# KiCad board Type 1 Termination Board v3.kicad_pcb (continued)
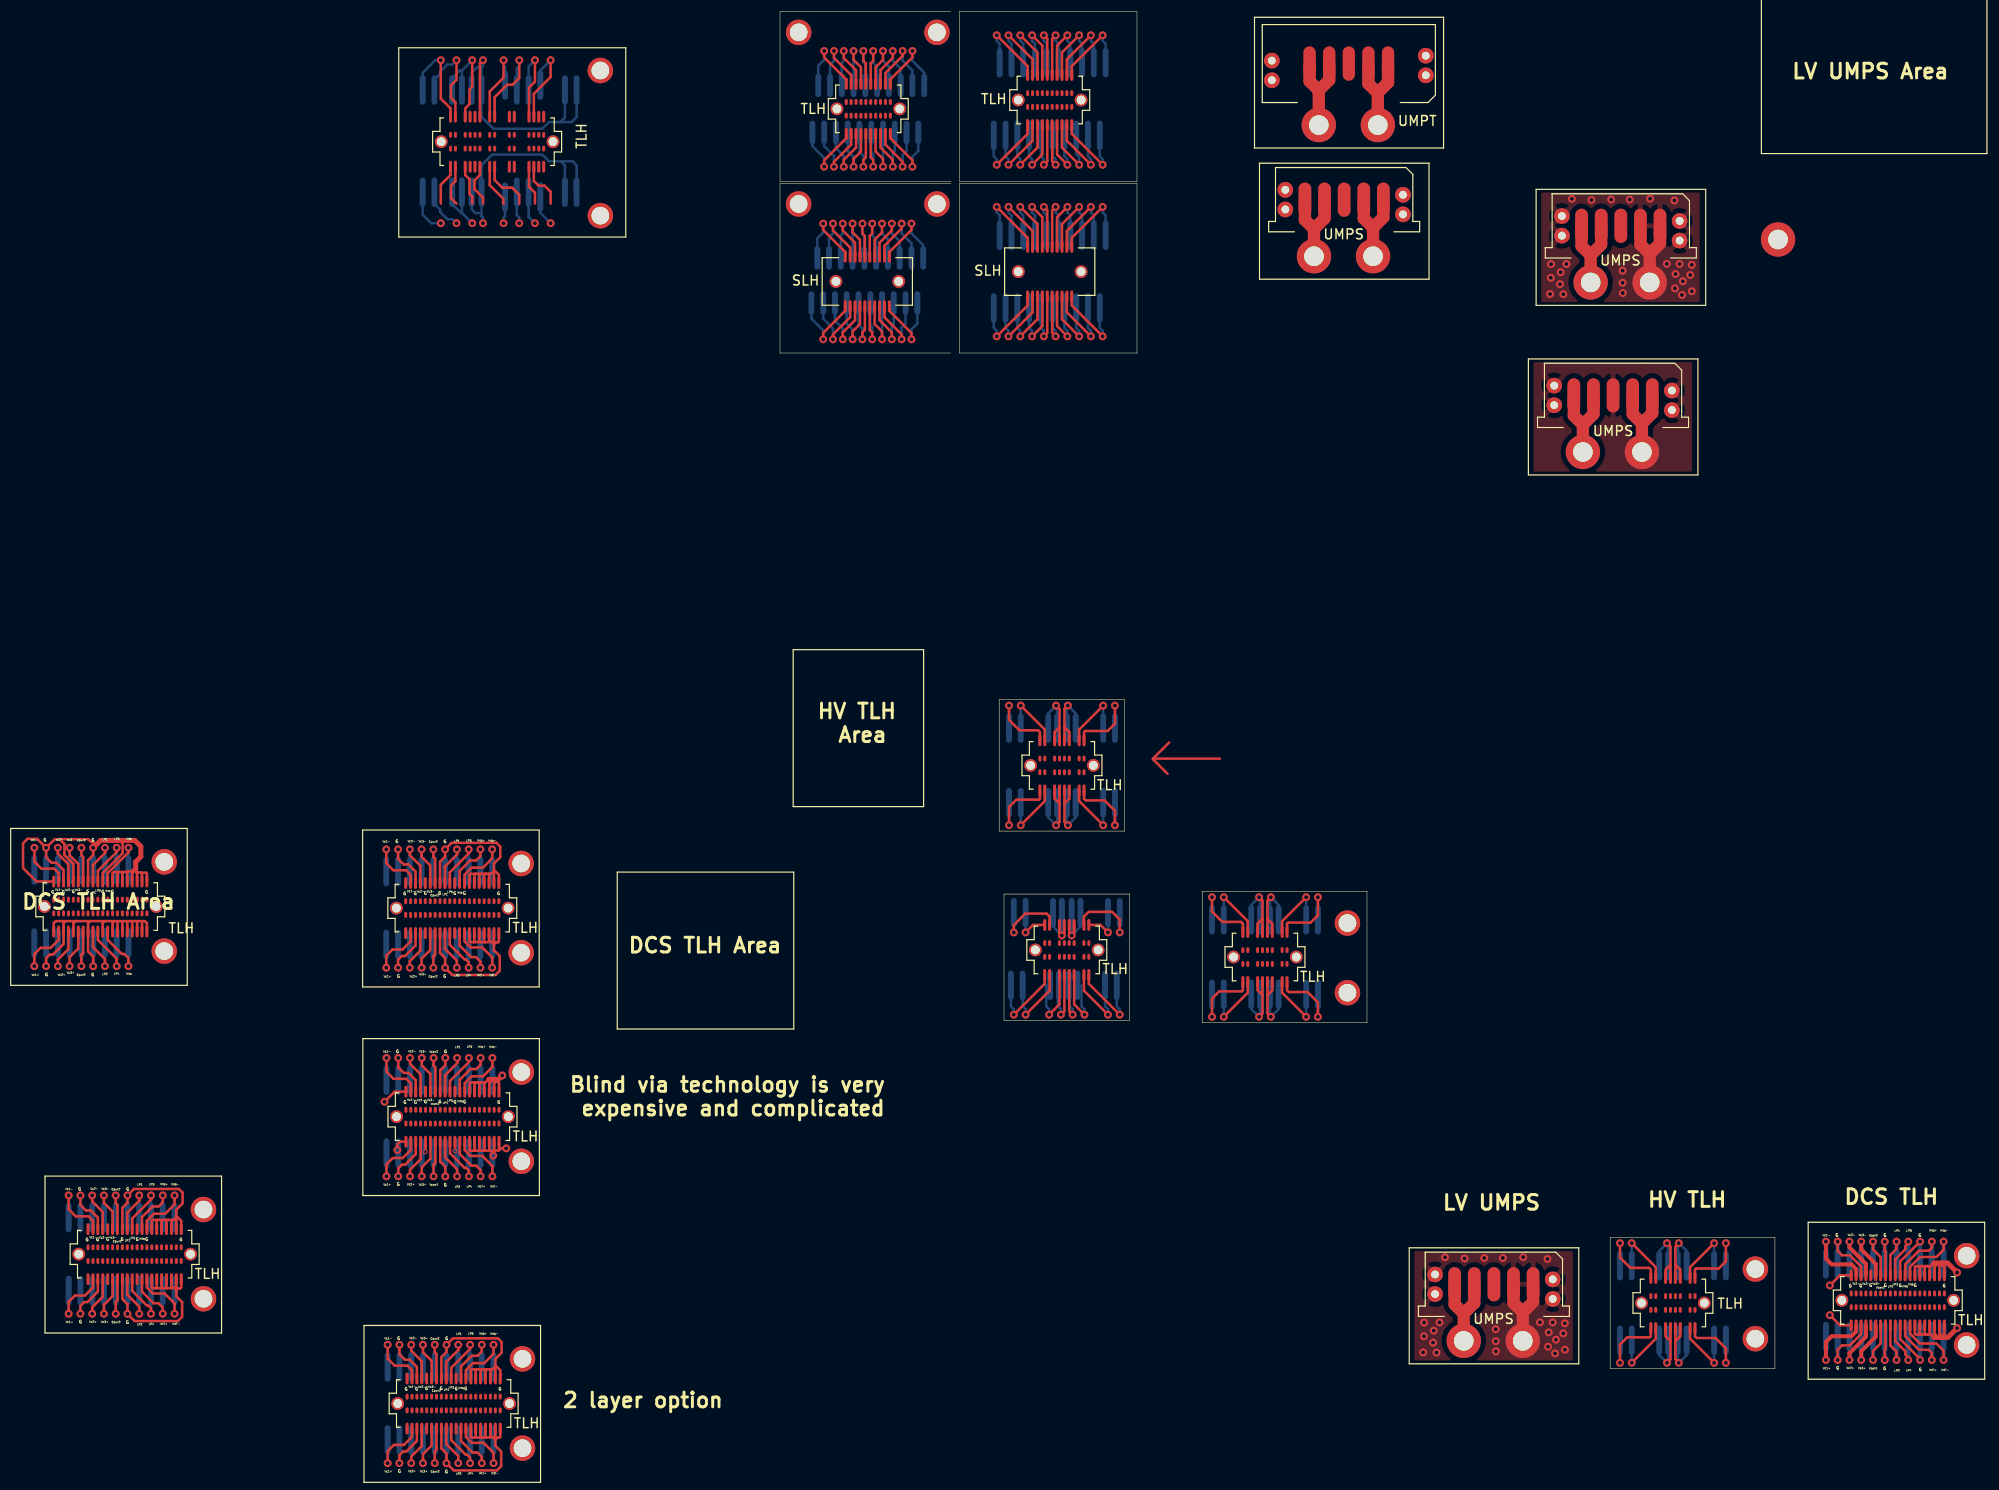
[diagram p0: board, top side]
## Routing (per net, layer and track width the routed paths; a pad name or vN(x,y) marks a point on that pad's centre or on a via; arc(x,y) is an arc through that point) (continued)
(no net): length 2080.3
  Top w0.25: v1(77.04,124.87) 77.04,124.17 78.29,122.92 REF**#5.3 ; v1(84.04,124.87) 84.04,124.22 81.79,121.97 81.79,121.52 ; v1(76.04,124.87) 76.04,124.17 77.79,122.42 77.79,121.52 ; v1(77.04,113.07) 77.04,113.77 78.29,115.02 REF**#5.13 ; v1(76.04,113.07) 76.04,113.57 77.79,115.32 REF**#5.12 ; v1(82.04,113.07) 82.04,113.77 80.79,115.02 REF**#5.18 ; REF**#5.14 78.79,114.62 78.04,113.87 v1(78.04,113.07) ; REF**#5.6 79.79,123.62 80.04,123.87 v1(80.04,124.87) ; REF**#5.8 80.79,122.92 82.04,124.17 v1(82.04,124.87) ; v1(102.34,126.57) 99.89,124.12 99.89,122.52 ; REF**#3.9 77.89,140.02 76.14,141.77 v1(76.14,142.47) ; REF**#5.9 81.29,122.62 83.04,124.37 v1(83.04,124.87) ; v1(81.04,124.87) 81.04,123.97 80.29,123.22 REF**#5.7 ; v1(79.04,124.87) 79.04,123.87 79.29,123.62 REF**#5.5 ; v1(75.04,113.07) 75.04,113.72 77.29,115.97 77.29,116.42 ; 98.89,122.52 98.89,125.52 v1(99.94,126.57) ; v1(103.54,126.57) 100.39,123.42 100.39,122.52 ; REF**#5.16 79.79,114.02 80.04,113.77 v1(80.04,113.07) ; v1(101.14,113.37) 99.39,115.12 99.39,117.42 ; 97.89,117.42 97.89,113.72 v1(97.54,113.37) ; v1(79.04,113.07) 79.04,113.77 79.29,114.02 REF**#5.15 ; v1(83.04,113.07) 83.04,113.57 81.29,115.32 REF**#5.19 ; 98.39,122.52 98.39,126.22 v1(98.74,126.57) ; 97.39,122.52 97.39,125.52 v1(96.34,126.57) ; v1(93.94,113.37) 96.39,115.82 96.39,117.42 ; 77.89,134.04 77.89,132.92 76.14,131.17 v1(76.14,130.67) ; v1(82.14,130.67) 82.14,131.37 80.89,132.62 80.89,134.04 ; REF**#6.19 96.39,133.32 v1(93.94,130.87) ; REF**#6.14 98.89,131.92 v1(99.94,130.87) ; v1(80.14,130.67) 80.14,131.37 79.89,131.62 79.89,134.04 ; 79.39,134.04 79.39,131.62 79.14,131.37 v1(79.14,130.67) ; REF**#6.16 97.89,131.22 v1(97.54,130.87) ; v1(93.94,144.07) 96.39,141.62 REF**#6.9 ; 99.39,122.52 99.39,124.82 v1(101.14,126.57) ; v1(79.14,142.47) 79.14,141.47 79.39,141.22 79.39,139.09 ; v1(81.14,130.67) 81.14,131.47 80.39,132.22 80.39,134.04 ; v1(78.14,142.47) 78.14,141.57 78.89,140.82 78.89,139.09 ; v1(83.14,130.67) 83.14,131.17 81.39,132.92 81.39,134.04 ; v1(77.14,142.47) 77.14,141.77 78.39,140.52 78.39,139.09 ; v1(92.74,113.37) 95.89,116.52 95.89,117.42 ; v1(78.14,130.67) 78.14,131.47 78.89,132.22 78.89,134.04 ; v1(101.14,144.07) 99.39,142.32 REF**#6.3 ; REF**#6.17 97.39,131.92 v1(96.34,130.87) ; REF**#6.6 97.89,143.72 v1(97.54,144.07) ; v1(99.94,144.07) 98.89,143.02 REF**#6.4 ; v1(92.74,144.07) 95.89,140.92 REF**#6.10 ; v1(95.14,130.87) 96.89,132.62 REF**#6.18 ; 80.39,139.09 80.39,140.82 81.14,141.57 v1(81.14,142.47) ; v1(98.74,130.87) 98.39,131.22 REF**#6.15 ; v1(102.34,144.07) 99.89,141.62 REF**#6.2 ; REF**#6.20 95.89,134.02 v1(92.74,130.87) ; REF**#6.7 97.39,143.02 v1(96.34,144.07) ; REF**#6.12 99.89,133.32 v1(102.34,130.87) ; 77.29,121.52 77.29,121.97 75.04,124.22 v1(75.04,124.87) ; v1(80.14,142.47) 80.14,141.47 79.89,141.22 79.89,139.09 ; v1(84.04,113.07) 84.04,113.72 81.79,115.97 81.79,116.42 ; v1(81.04,113.07) 81.04,113.87 80.29,114.62 REF**#5.17 ; v1(78.04,124.87) 78.04,123.97 78.79,123.22 REF**#5.4 ; REF**#6.1 100.39,140.92 v1(103.54,144.07) ; v1(95.14,144.07) 96.89,142.32 REF**#6.8 ; REF**#6.11 100.39,134.02 v1(103.54,130.87) ; v1(99.94,113.37) 98.89,114.42 98.89,117.42 ; v1(77.14,130.67) 77.14,131.37 78.39,132.62 78.39,134.04 ; 99.89,117.42 99.89,115.82 v1(102.34,113.37) ; v1(103.54,113.37) 100.39,116.52 100.39,117.42 ; 80.89,139.09 80.89,140.52 82.14,141.77 v1(82.14,142.47) ; v1(95.14,113.37) 96.89,115.12 96.89,117.42 ; v1(97.54,126.57) 97.89,126.22 97.89,122.52 ; REF**#6.13 99.39,132.62 v1(101.14,130.87) ; v1(98.74,144.07) 98.39,143.72 REF**#6.5 ; v1(95.14,126.57) 96.89,124.82 96.89,122.52 ; v1(98.74,113.37) 98.39,113.72 98.39,117.42 ; v1(96.34,113.37) 97.39,114.42 97.39,117.42 ; 95.89,122.52 95.89,123.42 v1(92.74,126.57) ; v1(93.94,126.57) 96.39,124.12 96.39,122.52 ; 81.39,139.09 81.39,140.22 83.14,141.97 v1(83.14,142.47) ; v1(84.14,130.67) 84.14,131.32 81.89,133.57 REF**#3.11 ; v1(75.14,142.47) 75.14,141.82 77.39,139.57 REF**#3.10 ; REF**#3.20 77.39,133.57 75.14,131.32 v1(75.14,130.67) ; REF**#3.1 81.89,139.57 84.14,141.82 v1(84.14,142.47) ; TLH#2.11 102.13,47.35 v1(105.28,44.2) ; v1(101.68,44.2) 100.63,45.25 TLH#2.14 ; TLH#2.12 101.63,46.65 v1(104.08,44.2) ; v1(99.28,44.2) 99.63,44.55 TLH#2.16 ; v1(94.48,44.2) 97.63,47.35 TLH#2.20 ; TLH#2.15 100.13,44.55 v1(100.48,44.2) ; v1(98.08,44.2) 99.13,45.25 TLH#2.17 ; v1(95.68,44.2) 98.13,46.65 TLH#2.19 ; TLH#3.34 45.04,128.63 45.65,128.02 45.65,126.91 ; TLH#3.3 37.54,137.24 37.09,137.69 37.09,138.97 37.65,139.53 v1(37.65,141.53) ; 47.25,126.91 47.25,128.11 46.62,128.74 46.01,128.74 45.54,129.21 TLH#3.36 ; TLH#3.2 37.04,129.82 36.05,128.83 36.05,126.91 ; 39.25,126.91 39.25,127.62 38.98,127.89 38.98,129.38 38.54,129.82 TLH#3.8 ; TLH#3.1 37.04,136.62 36.05,137.61 v1(36.05,141.53) ; TLH#3.20 41.54,129.31 42.32,128.53 43.33,128.53 44.05,127.81 44.05,126.91 ; 42.45,126.91 42.41,126.95 42.41,127.42 41.04,128.79 TLH#3.18 ; 37.65,126.91 37.09,127.47 37.09,128.75 37.54,129.2 TLH#3.4 ; TLH#3.14 40.04,129.82 39.49,129.27 39.49,128.38 40.35,127.52 40.35,126.91 ; TLH#3.7 38.54,136.62 38.98,137.06 38.98,138.55 39.25,138.82 v1(39.25,141.53) ; v1(45.65,141.53) 45.65,139.34 45.04,138.73 TLH#3.33 ; v1(40.35,141.53) 40.04,141.22 TLH#3.13 ; v1(47.25,141.53) 47.25,139.82 45.54,138.11 TLH#3.35 ; TLH#3.17 41.04,138.34 42.45,139.75 v1(42.45,141.53) ; TLH#3.19 41.54,137.76 42.81,139.03 43.36,139.03 44.05,139.72 v1(44.05,141.53) ; 99.64,65.78 99.69,65.78 100.14,66.23 100.14,67.08 ; 99.64,65.78 99.64,67.08 ; 99.64,65.78 99.64,63.88 99.99,63.53 ; 98.79,63.53 99.14,63.88 99.14,65.68 ; 93.99,63.53 93.99,65.38 94.73,66.12 97.03,66.12 97.14,66.23 97.14,67.08 ; 101.64,67.08 101.64,66.23 101.82,66.05 103.73,66.05 104.79,64.99 104.79,63.53 ; 103.59,63.53 101.14,65.98 101.14,67.08 ; 95.19,63.53 97.64,65.98 97.64,67.08 ; 99.14,67.08 99.14,65.68 ; 99.14,65.68 99.14,65.73 98.64,66.23 98.64,67.08 ; v1(-4.2,61.22) -4.2,60.27 -4.21,60.26 -3.64,59.69 -3.15,59.69 -2.42,58.96 TLH#5.23 ; v1(-4.2,61.22) -3.32,62.1 -2.84,62.1 ; v1(-4.2,61.22) -5.11,62.13 -6.1,62.13 -6.55,61.68 -6.55,59.15 -5.18,57.78 TLH#5.21 ; v1(-5.4,61.22) -5.4,59.83 -5.41,59.82 -4.68,59.09 -3.38,59.09 -2.92,58.63 TLH#5.22 ; TLH#5.7 -0.42,50.51 -0.6,50.33 v1(-0.6,49.15) ; v1(1.8,49.15) 1.8,49.87 0.58,51.09 TLH#5.9 ; -2.25,53.74 -1.08,53.74 ; -2.25,53.74 -3.21,53.74 -3.42,53.53 TLH#5.1 ; -2.25,53.74 -2.25,53.7 -2.42,53.53 TLH#5.3 -2.42,51.41 -3.49,50.34 -3.82,50.34 -4.2,49.96 v1(-4.2,49.15) ; -1.08,53.74 0.27,53.74 ; -1.08,53.74 -1.21,53.74 -1.42,53.53 TLH#5.5 ; 0.27,53.74 0.27,53.72 0.08,53.53 TLH#5.8 0.08,50.65 0.6,50.13 v1(0.6,49.14) ; 0.27,53.74 1.78,53.74 ; 3.08,52.68 3.08,53.68 ; 6.08,52.68 6.08,53.53 5.87,53.74 4.14,53.74 ; 4.14,53.74 2.77,53.74 ; 4.14,53.74 4.08,53.68 4.08,52.68 ; 2.77,53.74 2.58,53.55 2.58,52.68 ; 2.77,53.74 1.78,53.74 ; 5.08,52.68 5.08,53.68 ; 1.78,53.74 1.78,53.73 1.58,53.53 TLH#5.11 ; 5.58,52.68 5.58,53.68 ; 4.58,52.68 4.58,53.68 ; 3.58,52.68 3.58,53.68 ; TLH#5.2 -2.92,51.83 -3.74,51.01 -4.76,51.01 -5.4,50.37 v1(-5.4,49.15) ; v1(-0.6,61.22) -0.6,60.47 -0.61,60.46 -0.42,60.27 TLH#5.27 ; v1(4.2,49.15) 4.2,49.96 3.77,50.39 3.52,50.39 2.08,51.83 TLH#5.12 ; -3,60.62 v1(-3,61.22) ; -3,60.62 -2.98,60.64 ; -3,60.62 -1.92,59.54 TLH#5.24 ; TLH#5.28 0.08,59.96 0.6,60.48 v1(0.6,61.22) 0.6,61.79 0.57,61.82 0.38,61.82 0.1,62.1 -2.84,62.1 ; TLH#5.10 1.08,51.83 3.03,49.88 3,49.85 v1(3,49.15) ; TLH#5.32 2.08,58.63 4.24,60.79 4.24,61.18 v1(4.2,61.22) ; 3.04,60.83 1.08,58.87 TLH#5.30 ; TLH#5.29 0.58,59.46 1.82,60.7 1.82,61.2 v1(1.8,61.22) ; TLH#5.26 -0.92,59.58 -1.8,60.46 v1(-1.8,61.22) ; v1(-3,49.15) -3,49.81 -1.92,50.89 TLH#5.4 ; v1(-1.8,49.15) -1.8,50.07 -0.92,50.95 TLH#5.6 ; TLH#6.29 4.08,24.01 5.32,25.25 5.32,25.75 v1(5.3,25.77) ; v1(2.9,13.7) 2.9,14.88 3.08,15.06 TLH#6.7 ; TLH#6.27 3.08,24.82 2.89,25.01 2.9,25.02 v1(2.9,25.77) ; 0.5,25.17 0.52,25.19 ; 0.5,25.17 v1(0.5,25.77) ; 0.5,25.17 1.58,24.09 TLH#6.24 ; 6.54,25.38 4.58,23.42 TLH#6.30 ; v1(1.7,25.77) 1.7,25.01 2.58,24.13 TLH#6.26 ; v1(0.5,13.7) 0.5,14.36 1.58,15.44 TLH#6.4 ; v1(1.7,13.7) 1.7,14.62 2.58,15.5 TLH#6.6 ; v1(-1.9,13.7) -1.9,14.92 -1.26,15.56 -0.24,15.56 0.58,16.38 TLH#6.2 ; v1(5.3,13.7) 5.3,14.42 4.08,15.64 TLH#6.9 ; TLH#6.12 5.58,15.96 6.76,14.78 7.25,14.78 7.7,14.33 v1(7.7,13.7) ; TLH#6.13 6.08,16.38 6.69,15.77 7.88,15.77 8.9,14.75 v1(8.9,13.7) ; v1(7.7,25.77) 7.7,25.07 7.27,24.64 6.66,24.64 5.58,23.56 TLH#6.32 ; v1(6.5,13.7) 6.5,14.27 6.21,14.56 6.06,14.56 4.58,16.04 TLH#6.10 ; v1(-1.9,25.77) -1.9,24.36 -1.18,23.64 0.12,23.64 0.58,23.18 TLH#6.22 ; TLH#6.33 6.08,23.18 6.8,23.9 7.95,23.9 8.9,24.85 v1(8.9,25.77) ; 161.09,8.71 161.44,9.06 161.44,10.86 ; 161.94,18.75 161.94,18.7 162.44,18.2 TLH#7.4 ; 161.94,18.75 TLH#7.5 ; 161.94,18.75 161.94,20.55 v1(162.29,20.9) ; v1(156.29,20.9) 156.29,19.44 157.35,18.38 159.26,18.38 159.44,18.2 TLH#7.10 ; 161.44,18.65 161.39,18.65 160.94,18.2 TLH#7.7 ; 161.44,18.65 TLH#7.6 ; 161.44,18.65 161.44,20.55 v1(161.09,20.9) ; TLH#7.1 163.94,18.2 164.05,18.31 166.35,18.31 167.09,19.05 v1(167.09,20.9) ; v1(165.89,20.9) 163.44,18.45 TLH#7.2 ; v1(157.49,20.9) 159.94,18.45 TLH#7.9 ; 163.94,12.26 163.94,11.41 164.12,11.23 166.03,11.23 167.09,10.17 167.09,8.71 ; 161.44,10.86 161.44,10.91 160.94,11.41 160.94,12.26 ; 161.44,10.86 161.44,12.26 ; 162.29,8.71 161.94,9.06 161.94,10.96 ; 161.94,10.96 161.99,10.96 162.44,11.41 162.44,12.26 ; 161.94,10.96 161.94,12.26 ; 159.44,12.26 159.44,11.41 159.33,11.3 157.03,11.3 156.29,10.56 156.29,8.71 ; 163.44,12.26 163.44,11.16 165.89,8.71 ; 157.49,8.71 159.94,11.16 159.94,12.26 ; TLH#8.1 122.34,53.48 122.45,53.59 124.75,53.59 125.49,54.33 v1(125.49,56.18) ; 119.84,47.54 119.84,46.14 ; 119.84,46.14 119.84,46.19 119.34,46.69 119.34,47.54 ; 119.84,46.14 119.84,44.34 119.49,43.99 ; TLH#8.7 119.34,53.48 119.79,53.93 119.84,53.93 ; v1(124.29,56.18) 121.84,53.73 TLH#8.2 ; 120.34,46.24 120.34,44.34 120.69,43.99 ; 120.34,46.24 120.39,46.24 120.84,46.69 120.84,47.54 ; 120.34,46.24 120.34,47.54 ; TLH#8.10 117.84,53.48 117.66,53.66 115.75,53.66 114.69,54.72 v1(114.69,56.18) ; 115.89,43.99 118.34,46.44 118.34,47.54 ; 125.49,43.99 125.49,45.45 124.43,46.51 122.52,46.51 122.34,46.69 122.34,47.54 ; 117.84,47.54 117.84,46.69 117.73,46.58 115.43,46.58 114.69,45.84 114.69,43.99 ; v1(115.89,56.18) 118.34,53.73 TLH#8.9 ; 124.29,43.99 121.84,46.44 121.84,47.54 ; v1(119.49,56.18) 119.84,55.83 119.84,53.93 ; 119.84,53.93 TLH#8.6 ; TLH#8.4 120.84,53.48 120.34,53.98 120.34,54.03 ; 120.34,54.03 120.34,55.83 v1(120.69,56.18) ; 120.34,54.03 TLH#8.5 ; TLH#9.29 36.49,38.03 37.73,39.27 37.73,39.77 v1(37.71,39.79) ; TLH#9.27 35.49,38.84 35.3,39.03 35.31,39.04 v1(35.31,39.79) ; 32.91,39.19 32.93,39.21 ; 32.91,39.19 33.99,38.11 TLH#9.24 ; 32.91,39.19 v1(32.91,39.79) ; 38.95,39.4 36.99,37.44 TLH#9.30 ; v1(34.11,39.79) 34.11,39.03 34.99,38.15 TLH#9.26 ; v1(35.31,27.72) 35.31,28.9 35.49,29.08 TLH#9.7 ; TLH#9.6 34.99,29.52 34.11,28.64 v1(34.11,27.72) ; TLH#9.4 33.99,29.46 32.91,28.38 v1(32.91,27.72) ; TLH#9.9 36.49,29.66 37.71,28.44 v1(37.71,27.72) ; TLH#9.12 37.99,29.98 39.17,28.8 39.66,28.8 40.11,28.35 v1(40.11,27.72) ; TLH#9.2 32.99,30.4 32.17,29.58 31.15,29.58 30.51,28.94 v1(30.51,27.72) ; v1(30.51,39.79) 30.51,38.38 31.23,37.66 32.53,37.66 32.99,37.2 TLH#9.22 ; TLH#9.33 38.49,37.2 39.21,37.92 40.36,37.92 41.31,38.87 v1(41.31,39.79) ; TLH#9.13 38.49,30.4 39.1,29.79 40.29,29.79 41.31,28.77 v1(41.31,27.72) ; TLH#9.10 36.99,30.06 38.47,28.58 38.62,28.58 38.91,28.29 v1(38.91,27.72) ; v1(40.11,39.79) 40.11,39.09 39.68,38.66 39.07,38.66 37.99,37.58 TLH#9.32 ; TLH#10.29 36.61,8.78 37.85,10.02 37.85,10.52 v1(37.83,10.54) ; TLH#10.27 35.61,9.59 35.42,9.78 35.43,9.79 v1(35.43,10.54) ; 33.03,9.94 33.05,9.96 ; 33.03,9.94 34.11,8.86 TLH#10.24 ; 33.03,9.94 v1(33.03,10.54) ; 39.07,10.15 37.11,8.19 TLH#10.30 ; v1(34.23,10.54) 34.23,9.78 35.11,8.9 TLH#10.26 ; v1(35.43,-1.53) 35.43,-0.35 35.61,-0.17 TLH#10.7 ; TLH#10.6 35.11,0.27 34.23,-0.61 v1(34.23,-1.53) ; TLH#10.4 34.11,0.21 33.03,-0.87 v1(33.03,-1.53) ; TLH#10.9 36.61,0.41 37.83,-0.81 v1(37.83,-1.53) ; TLH#10.12 38.11,0.73 39.29,-0.45 39.78,-0.45 40.23,-0.9 v1(40.23,-1.53) ; TLH#10.2 33.11,1.15 32.29,0.33 31.27,0.33 30.63,-0.31 v1(30.63,-1.53) ; v1(30.63,10.54) 30.63,9.13 31.35,8.41 32.65,8.41 33.11,7.95 TLH#10.22 ; TLH#10.33 38.61,7.95 39.33,8.67 40.48,8.67 41.43,9.62 v1(41.43,10.54) ; TLH#10.13 38.61,1.15 39.22,0.54 40.41,0.54 41.43,-0.48 v1(41.43,-1.53) ; TLH#10.10 37.11,0.81 38.59,-0.67 38.74,-0.67 39.03,-0.96 v1(39.03,-1.53) ; v1(40.23,10.54) 40.23,9.84 39.8,9.41 39.19,9.41 38.11,8.33 TLH#10.32 ; 188.09,9.09 188.09,9.71 187.78,10.02 186.78,10.02 185.37,11.43 185.37,12.53 ; 182.09,9.09 182.09,9.89 182.87,10.67 182.87,12.53 ; 184.37,12.53 184.37,10.89 185.39,9.87 185.39,9.55 185.69,9.25 185.69,9.09 ; 184.49,9.09 184.49,9.83 183.87,10.45 183.87,12.53 ; 185.87,12.53 185.87,11.68 186.89,10.66 188.56,10.66 189.29,9.93 189.29,9.09 ; v1(103.59,75.72) 101.14,73.27 TLH.2 ; 3.29,61.97 3.61,61.65 3.61,60.66 1.58,58.63 TLH#5.31 ; TLH#4.35 39.47,58.47 39.56,58.56 39.72,58.56 ; 40.67,58.56 40.93,58.56 ; 40.67,58.56 40.28,58.56 ; 40.67,58.56 40.56,58.56 40.47,58.47 TLH#4.37 ; 40.93,58.56 40.97,58.52 TLH#4.38 ; 40.93,58.56 41.18,58.56 41.47,58.85 ; v1(37.69,48.99) 37.69,49.71 36.47,50.93 TLH#4.9 ; TLH.1 101.64,73.02 101.75,73.13 104.05,73.13 104.79,73.87 v1(104.79,75.72) ; 40.28,58.56 39.72,58.56 ; 40.28,58.56 40.06,58.56 39.97,58.47 TLH#4.36 ; v1(105.28,52.59) 105.28,53.91 104.51,54.68 102.11,54.68 101.63,54.2 TLH#2.2 ; 41.47,58.85 41.47,59.61 42.11,60.25 42.11,61.34 41.73,61.72 37.15,61.72 v1(36.49,61.06) 36.49,60.32 35.97,59.8 TLH#4.28 ; 41.47,58.85 TLH#4.39 ; 41.47,58.85 41.59,58.85 41.97,58.47 TLH#4.40 ; 32.89,60.46 33.97,59.38 TLH#4.24 ; 32.89,60.46 32.91,60.48 ; 32.89,60.46 v1(32.89,61.06) ; v1(40.09,61.06) 40.09,60.36 39.66,59.93 39.05,59.93 37.97,58.85 TLH#4.32 ; TLH#2.5 100.13,52.53 v1(100.38,52.28) 100.63,52.53 TLH#2.4 ; v1(94.48,52.59) 94.48,53.33 95.65,54.5 97.83,54.5 98.13,54.2 TLH#2.9 ; TLH#4.10 36.97,51.33 38.45,49.85 38.6,49.85 38.89,49.56 v1(38.89,48.99) ; 40.13,51.6 40.54,51.6 ; 40.13,51.6 39.39,51.6 ; 40.13,51.6 40.04,51.6 39.97,51.67 TLH#4.16 ; 40.54,51.6 40.54,51.6 40.47,51.67 TLH#4.17 ; 40.54,51.6 40.99,51.6 40.99,51.65 40.97,51.67 ; -2.84,62.1 -2.33,61.59 -2.33,60.48 -1.42,59.57 TLH#5.25 ; TLH.7 98.64,73.02 99.09,73.47 99.14,73.47 ; v1(95.19,75.72) 97.64,73.27 TLH.9 ; 3.15,62.02 3.07,62.02 ; TLH.5 99.64,73.57 ; 99.64,73.57 99.64,73.52 100.14,73.02 TLH.4 ; 99.64,73.57 99.64,75.37 v1(99.99,75.72) ; TLH#11.33 185.87,18.47 186.89,19.49 188.56,19.49 189.29,20.22 v1(189.29,21.06) ; 5.51,58.7 5.58,58.63 TLH#5.39 ; 5.51,58.7 5.54,58.67 6.04,58.67 6.08,58.63 TLH#5.40 ; 5.51,58.7 5.15,58.7 5.08,58.63 ; v1(40.09,48.99) 40.09,49.62 39.64,50.07 39.15,50.07 37.97,51.25 TLH#4.12 ; TLH.10 97.14,73.02 96.96,73.2 95.05,73.2 93.99,74.26 v1(93.99,75.72) ; 39.39,51.6 39.4,51.6 39.47,51.67 TLH#4.15 ; 39.39,51.6 39.04,51.6 38.97,51.67 TLH#4.14 ; TLH#5.35 3.58,58.63 3.52,58.69 3.52,58.75 ; TLH#11.27 182.87,19.48 182.09,20.26 v1(182.09,21.06) ; TLH#5.37 4.58,58.63 4.93,58.99 4.93,58.77 5.08,58.63 ; TLH#4.4 33.97,50.73 32.89,49.65 v1(32.89,48.99) ; 41.47,51.38 41.47,50.77 42.06,50.18 42.06,48.68 41.63,48.25 37.22,48.25 v1(36.49,48.98) 36.49,49.97 35.97,50.49 TLH#4.8 ; 41.47,51.38 41.67,51.58 41.88,51.58 41.97,51.67 TLH#4.20 ; 41.47,51.38 41.47,51.4 ; TLH#4.27 35.47,60.11 35.28,60.3 35.29,60.31 v1(35.29,61.06) ; 41.47,51.4 TLH#4.19 ; 41.47,51.4 41.2,51.67 40.97,51.67 ; 110.15,68.77 108.67,70.25 108.67,70.31 ; 4.93,59.25 4.52,58.83 4.08,58.83 ; TLH#2.10 96.44,53.35 v1(95.68,52.59) ; 39.72,58.56 39.06,58.56 38.97,58.47 TLH#4.34 ; 115.5,70.31 108.67,70.31 ; 108.67,70.31 110.31,71.95 ; 3.09,58.75 3.52,58.75 ; 3.09,58.75 2.7,58.75 2.58,58.63 TLH#5.33 ; 3.09,58.75 3.09,58.64 3.08,58.63 TLH#5.34 ; 3.52,58.75 4,58.75 4.08,58.83 ; TLH#11.32 185.37,18.72 186.78,20.13 187.78,20.13 188.09,20.44 v1(188.09,21.06) ; TLH#4.13 38.47,51.67 39.08,51.06 40.27,51.06 41.29,50.04 v1(41.29,48.99) ; TLH#4.22 32.97,58.47 32.51,58.93 31.21,58.93 30.49,59.65 v1(30.49,61.06) ; TLH#2.6 99.63,52.53 v1(99.38,52.28) 99.13,52.53 TLH#2.7 ; 4.08,58.83 TLH#5.36 ; TLH#4.2 32.97,51.67 32.15,50.85 31.13,50.85 30.49,50.21 v1(30.49,48.99) ; v1(185.69,21.06) 185.69,20.9 185.39,20.6 185.39,20.28 184.37,19.26 TLH#11.30 ; 99.14,73.47 TLH.6 ; 99.14,73.47 99.14,75.37 v1(98.79,75.72) ; v1(31.69,48.99) 31.69,49.8 32.07,50.18 32.4,50.18 33.47,51.25 TLH#4.3 ; TLH#5.38 5.08,58.63 ; TLH#4.30 36.97,58.71 38.93,60.67 ; v1(37.69,61.06) 37.71,61.04 37.71,60.54 36.47,59.3 TLH#4.29 ; TLH#4.18 40.97,51.67 ; TLH#4.6 34.97,50.79 34.09,49.91 v1(34.09,48.99) ; TLH#4.23 33.47,58.8 32.74,59.53 32.25,59.53 31.68,60.1 31.69,60.11 v1(31.69,61.06) ; v1(35.29,48.99) 35.29,50.17 35.47,50.35 TLH#4.7 ; v1(104.08,52.59) 103.32,53.35 TLH#2.1 102.13,53.8 ; TLH#4.26 34.97,59.42 34.09,60.3 v1(34.09,61.06) ; v1(41.29,61.06) 41.29,60.14 40.34,59.19 39.19,59.19 38.47,58.47 TLH#4.33 ; TLH#11.29 183.87,19.7 184.49,20.32 v1(184.49,21.06)
  Top w0.4: 180.89,9.09 180.89,9.88 182.37,11.36 182.37,12.53 ; 181.37,12.53 181.37,11.36 179.69,9.68 179.69,9.09 ; 180.37,12.53 180.37,11.89 179.89,11.41 177.88,11.41 177.29,10.82 177.29,9.09 ; v1(177.29,21.06) 177.29,19.33 177.88,18.74 179.89,18.74 180.37,18.26 TLH#11.22 ; TLH#11.26 182.37,18.79 180.89,20.27 v1(180.89,21.06) ; v1(179.69,21.06) 179.69,20.47 181.37,18.79 TLH#11.24
  Top w0.5: v1(0.6,61.22) 1.35,61.97 4.85,61.97 5.46,61.36 5.46,60.31 4.93,59.78 4.93,58.99
  Top w1.25: UMPT.5 124.64,139.39 125.58,138.45 ; 125.58,138.45 REF**#12.1 ; 125.58,138.45 126.64,139.51 UMPT.4 ; UMPS.4 126.16,125.39 125.09,124.32 ; 125.09,124.32 REF**#9.1 ; 125.09,124.32 124.16,125.25 UMPS.5 ; UMPS.2 130.16,125.4 131.11,124.45 ; 131.11,124.45 REF**#10.1 ; 131.11,124.45 132.16,125.5 UMPS.1 ; 131.6,138.17 131.6,138.22 132.64,139.26 UMPT.1 ; 131.6,138.17 REF**#11.1 ; 131.6,138.17 130.64,139.13 UMPT.2 ; UMPS#3.4 153.58,105.43 152.51,104.36 ; 152.51,104.36 151.58,105.29 UMPS#3.5 ; 152.51,104.36 REF**#28.1 ; 140.36,13.72 141.43,14.79 UMPS#4.4 ; 140.36,13.72 REF**#35.1 ; 140.36,13.72 139.43,14.65 UMPS#4.5
  Bottom w0.25: v1(82.04,113.07) 82.04,114.47 82.24,114.67 REF**#43.8 ; v1(81.04,124.87) 81.04,123.87 81.64,123.27 REF**#45.7 ; v1(77.04,113.07) 77.04,114.17 76.24,114.97 REF**#43.3 ; v1(84.04,113.07) 84.04,114.07 84.64,114.67 REF**#43.10 ; v1(82.04,124.87) 82.04,123.87 82.84,123.07 REF**#45.8 ; v1(83.04,124.87) 83.04,123.87 84.04,122.87 REF**#45.9 ; v1(83.04,113.07) 83.04,114.27 83.44,114.67 REF**#43.9 ; v1(78.04,124.87) REF**#45.4 ; v1(78.04,113.07) 78.04,114.07 77.44,114.67 REF**#43.4 ; v1(80.04,113.07) 80.04,114.37 79.84,114.57 REF**#43.6 ; v1(79.04,113.07) 79.04,114.17 78.64,114.57 REF**#43.5 ; v1(99.94,113.37) 99.94,113.94 99.64,114.24 REF**#40.7 ; REF**#40.1 92.44,114.24 92.74,113.94 v1(92.74,113.37) ; v1(80.14,142.47) 80.14,141.27 80.54,140.87 REF**#41.6 ; REF**#40.10 103.24,114.24 103.54,113.94 v1(103.54,113.37) ; v1(77.14,130.67) 77.14,131.77 76.34,132.57 REF**#38.3 ; v1(93.94,113.37) 93.94,113.94 93.64,114.24 REF**#40.2 ; v1(83.14,142.47) 83.14,141.47 84.14,140.47 REF**#41.9 ; v1(103.54,126.57) 103.54,126 103.84,125.7 REF**#42.10 ; v1(96.34,113.37) 96.34,113.94 96.04,114.24 REF**#40.4 ; v1(84.04,124.87) 84.04,123.87 85.24,122.67 REF**#45.10 ; v1(75.14,130.67) 75.14,131.57 73.94,132.77 REF**#38.1 ; v1(101.14,113.37) 101.14,113.94 100.84,114.24 REF**#40.8 ; v1(98.74,113.37) 98.74,113.94 98.44,114.24 REF**#40.6 ; v1(76.14,142.47) 76.14,141.47 75.74,141.07 REF**#41.2 ; v1(78.14,130.67) 78.14,131.67 77.54,132.27 REF**#38.4 ; v1(77.04,124.87) 77.04,123.87 76.84,123.67 REF**#45.3 ; v1(95.14,113.37) 95.14,113.94 94.84,114.24 REF**#40.3 ; v1(80.04,124.87) 80.04,123.67 80.44,123.27 REF**#45.6 ; v1(102.34,126.57) 102.34,126 102.64,125.7 REF**#42.9 ; v1(102.34,113.37) 102.34,113.94 102.04,114.24 REF**#40.9 ; REF**#40.5 97.24,114.24 97.54,113.94 v1(97.54,113.37) ; v1(75.04,113.07) 75.04,113.97 73.84,115.17 REF**#43.1 ; v1(79.04,124.87) 79.04,123.77 79.24,123.57 REF**#45.5 ; v1(76.04,124.87) 76.04,123.87 75.64,123.47 REF**#45.2 ; v1(75.04,124.87) 75.04,123.97 74.44,123.37 REF**#45.1 ; v1(76.04,113.07) 76.04,114.17 75.04,115.17 REF**#43.2 ; v1(83.14,130.67) 83.14,131.87 83.54,132.27 REF**#38.9 ; v1(80.14,130.67) 80.14,131.97 79.94,132.17 REF**#38.6 ; REF**#39.2 94.24,143.2 93.94,143.5 v1(93.94,144.07) ; v1(84.14,130.67) 84.14,131.67 84.74,132.27 REF**#38.10 ; REF**#41.4 v1(78.14,142.47) ; REF**#41.5 79.34,141.17 79.14,141.37 v1(79.14,142.47) ; REF**#39.3 95.44,143.2 95.14,143.5 v1(95.14,144.07) ; v1(81.14,130.67) REF**#38.7 ; REF**#41.1 74.54,140.97 75.14,141.57 v1(75.14,142.47) ; v1(82.14,142.47) 82.14,141.47 82.94,140.67 REF**#41.8 ; v1(82.14,130.67) 82.14,132.07 82.34,132.27 REF**#38.8 ; v1(81.14,142.47) 81.14,141.47 81.74,140.87 REF**#41.7 ; v1(79.14,130.67) 79.14,131.77 78.74,132.17 REF**#38.5 ; REF**#43.7 v1(81.04,113.07) ; REF**#39.4 96.64,143.2 96.34,143.5 v1(96.34,144.07) ; REF**#39.1 93.04,143.2 92.74,143.5 v1(92.74,144.07) ; v1(95.14,126.57) 95.14,126 95.44,125.7 REF**#42.3 ; REF**#42.4 96.64,125.7 96.34,126 v1(96.34,126.57) ; REF**#44.7 99.64,131.74 99.94,131.44 v1(99.94,130.87) ; v1(102.34,130.87) 102.34,131.44 102.04,131.74 REF**#44.9 ; v1(102.34,144.07) 102.34,143.5 102.64,143.2 REF**#39.9 ; REF**#41.10 85.34,140.27 84.14,141.47 v1(84.14,142.47) ; v1(99.94,144.07) 99.94,143.5 100.24,143.2 REF**#39.7 ; REF**#42.1 93.04,125.7 92.74,126 v1(92.74,126.57) ; v1(103.54,130.87) 103.54,131.44 103.24,131.74 REF**#44.10 ; REF**#44.6 98.44,131.74 98.74,131.44 v1(98.74,130.87) ; v1(93.94,130.87) 93.94,131.44 93.64,131.74 REF**#44.2 ; REF**#44.1 92.44,131.74 92.74,131.44 v1(92.74,130.87) ; v1(97.54,144.07) 97.54,143.5 97.84,143.2 REF**#39.5 ; REF**#42.2 94.24,125.7 93.94,126 v1(93.94,126.57) ; v1(97.54,126.57) 97.54,126 97.84,125.7 REF**#42.5 ; REF**#41.3 76.94,141.27 77.14,141.47 v1(77.14,142.47) ; v1(97.54,130.87) 97.54,131.44 97.24,131.74 REF**#44.5 ; v1(101.14,130.87) 101.14,131.67 100.84,131.97 REF**#44.8 ; v1(101.14,144.07) 101.14,143.5 101.44,143.2 REF**#39.8 ; v1(103.54,144.07) 103.54,143.5 103.84,143.2 REF**#39.10 ; v1(96.34,130.87) 96.34,131.44 96.04,131.74 REF**#44.4 ; v1(99.94,126.57) 99.94,126 100.24,125.7 REF**#42.7 ; REF**#39.6 99.04,143.2 98.74,143.5 v1(98.74,144.07) 98.74,143.77 ; v1(95.14,130.87) 95.14,131.44 94.84,131.74 REF**#44.3 ; REF**#42.8 101.44,125.7 101.14,126 v1(101.14,126.57) ; REF**#38.2 75.14,132.77 76.14,131.77 v1(76.14,130.67) ; v1(98.74,126.57) 98.74,126 99.04,125.7 REF**#42.6 ; v1(100.48,44.2) 100.48,44.77 100.18,45.07 100.18,47.2 ; v1(99.28,44.2) 99.28,44.77 98.98,45.07 98.98,47.2 ; REF**#47.9 103.78,45.07 104.08,44.77 v1(104.08,44.2) ; 101.38,47.2 101.38,45.07 101.68,44.77 v1(101.68,44.2) ; REF**#47.2 95.38,45.07 95.68,44.77 v1(95.68,44.2) ; v1(98.08,44.2) 98.08,44.77 97.78,45.07 97.78,47.2 ; REF**#47.1 94.18,45.07 94.48,44.77 v1(94.48,44.2) ; v1(105.28,44.2) 105.28,44.77 104.98,45.07 REF**#47.10 ; 35.85,140 35.38,139.53 ; 35.85,140 35.4,139.55 Pad_Array_4#2.2 ; 35.85,140 35.96,140.11 35.96,140.34 36.71,141.09 37.23,141.09 37.63,141.49 ; Pad_Array_4#2.7 42.6,140.81 42.45,140.96 v1(42.45,141.53) 42.4,141.48 ; 38.2,140.48 37.99,140.48 37.2,139.69 Pad_Array_4#2.3 ; 38.2,140.48 v1(39.25,141.53) ; 38.2,140.48 Pad_Array_4#2.4 ; v1(37.65,124.91) 37.25,125.31 36.73,125.31 35.98,126.06 35.98,126.29 35.4,126.87 Pad_Array_4.2 ; 48.7,129.27 Pad_Array_4.11 48.7,130.82 48.3,131.22 ; 40.2,140.81 40.35,140.96 v1(40.35,141.53) ; 40.2,140.81 39.77,140.81 39.2,140.25 Pad_Array_4#2.5 39.2,139.69 ; 40.2,140.81 Pad_Array_4#2.6 40.2,135.75 40.6,135.35 40.6,135.35 41.41,134.54 46.4,134.54 47.08,135.22 48.04,135.22 ; Pad_Array_4#2.1 34.2,140.25 35.48,141.53 v1(36.05,141.53) ; 39.2,126.87 Pad_Array_4.5 39.2,126.32 39.58,125.94 40.2,125.94 ; 38.2,125.96 Pad_Array_4.4 ; 38.2,125.96 v1(39.25,124.91) ; 38.2,125.96 38.11,125.96 37.2,126.87 Pad_Array_4.3 ; 48.04,135.22 48.23,135.22 48.7,135.69 Pad_Array_4#2.11 ; 48.04,135.22 49.38,135.22 49.9,135.74 Pad_Array_4#2.12 ; 49.7,129.27 49.7,128.07 ; 35.41,138.38 35.41,139.58 ; v1(44.05,141.53) 44.05,140.96 43.8,140.71 Pad_Array_4#2.8 ; Pad_Array_4#2.9 45,140.88 v1(45.65,141.53) ; Pad_Array_4.1 34.2,125.78 35.07,124.91 v1(36.05,124.91) ; Pad_Array_4#2.10 46.2,140.48 v1(47.25,141.53) ; v1(40.35,124.91) 40.35,125.48 40.22,125.61 40.2,125.61 40.2,125.94 ; 40.2,125.94 Pad_Array_4.6 40.2,130.82 41.28,131.9 46.4,131.9 47.08,131.22 49.5,131.22 49.9,130.82 Pad_Array_4.12 ; v1(47.25,124.91) 46.18,125.98 46.18,127.55 Pad_Array_4.10 ; v1(42.45,124.91) 42.45,125.48 42.6,125.63 Pad_Array_4.7 ; v1(45.65,124.91) 45,125.56 Pad_Array_4.9 ; v1(44.05,124.91) 44.05,125.49 43.8,125.74 Pad_Array_4.8 ; 42.4,124.96 42.45,124.92 ; REF**#49.9 v1(95.19,63.52) ; REF**#49.10 v1(93.99,63.52) ; REF**#49.7 97.99,64.32 v1(98.79,63.52) 98.89,63.62 REF**#49.6 ; REF**#49.2 v1(103.59,63.52) ; REF**#49.1 v1(104.79,63.52) ; REF**#49.4 100.79,64.32 v1(99.99,63.52) 99.89,63.62 REF**#49.5 ; v1(0.6,49.14) REF**#52.6 ; v1(1.8,49.15) REF**#52.7 ; v1(4.2,49.15) REF**#52.9 ; v1(-0.6,49.15) REF**#52.5 ; v1(3,61.22) REF**#53.8 ; v1(-4.2,61.22) REF**#53.2 ; v1(1.8,61.22) REF**#53.7 ; v1(-5.4,61.22) REF**#53.1 ; v1(-3,49.15) REF**#52.3 ; v1(-1.8,61.22) REF**#53.4 ; v1(-4.2,49.15) REF**#52.2 ; v1(0.6,61.22) REF**#53.6 ; v1(-3,61.22) REF**#53.3 ; v1(-5.4,49.15) REF**#52.1 ; v1(-0.6,61.22) REF**#53.5 ; v1(4.2,61.22) REF**#53.9 ; v1(-1.8,49.15) REF**#52.4 ; v1(3,49.15) REF**#52.8 ; v1(-1.9,25.77) REF**#54.1 ; v1(2.9,25.77) REF**#54.5 ; v1(5.3,25.77) REF**#54.7 ; v1(7.7,25.77) REF**#54.9 ; v1(7.7,13.7) REF**#55.9 ; v1(6.5,13.7) REF**#55.8 ; v1(5.3,13.7) REF**#55.7 ; v1(0.5,25.77) REF**#54.3 ; v1(1.7,25.77) REF**#54.4 ; v1(6.5,25.77) REF**#54.8 ; v1(0.5,13.7) REF**#55.3 ; v1(-1.9,13.7) REF**#55.1 ; v1(1.7,13.7) REF**#55.4 ; v1(2.9,13.7) REF**#55.5 ; v1(8.9,13.7) REF**#55.10 ; v1(8.9,25.77) REF**#54.10 ; REF**#57.1 v1(156.29,20.9) ; REF**#57.9 v1(165.89,20.9) ; REF**#57.4 160.29,20.1 v1(161.09,20.9) 161.19,20.8 REF**#57.5 ; REF**#56.7 160.29,9.5 v1(161.09,8.7) 161.19,8.8 REF**#56.6 ; REF**#57.10 v1(167.09,20.9) ; REF**#56.9 v1(157.49,8.7) ; REF**#57.6 162.19,20.8 v1(162.29,20.9) 163.09,20.1 REF**#57.7 ; REF**#56.10 v1(156.29,8.7) ; REF**#56.2 v1(165.89,8.7) ; REF**#56.5 162.19,8.8 v1(162.29,8.7) 163.09,9.5 REF**#56.4 ; REF**#57.2 v1(157.49,20.9) ; REF**#56.1 v1(167.09,8.7) ; REF**#58.4 121.49,44.78 v1(120.69,43.98) 120.59,44.08 REF**#58.5 ; REF**#59.7 121.49,55.38 v1(120.69,56.18) 120.59,56.08 REF**#59.6 ; REF**#59.5 119.59,56.08 v1(119.49,56.18) 118.69,55.38 REF**#59.4 ; REF**#58.9 v1(115.89,43.98) ; REF**#58.1 v1(125.49,43.98) ; REF**#58.10 v1(114.69,43.98) ; REF**#58.2 v1(124.29,43.98) ; REF**#59.2 v1(115.89,56.18) ; REF**#58.6 119.59,44.08 v1(119.49,43.98) 118.69,44.78 REF**#58.7 ; REF**#59.10 v1(125.49,56.18) ; REF**#59.1 v1(114.69,56.18) ; REF**#59.9 v1(124.29,56.18) ; v1(37.71,39.79) REF**#60.7 ; v1(37.71,27.72) REF**#61.7 ; v1(40.11,39.79) REF**#60.9 ; v1(40.11,27.72) REF**#61.9 ; v1(38.91,27.72) REF**#61.8 ; v1(30.51,39.79) REF**#60.1 ; v1(35.31,39.79) REF**#60.5 ; v1(38.91,39.79) REF**#60.8 ; v1(34.11,27.72) REF**#61.4 ; v1(34.11,39.79) REF**#60.4 ; v1(32.91,27.72) REF**#61.3 ; v1(30.51,27.72) REF**#61.1 ; v1(32.91,39.79) REF**#60.3 ; v1(35.31,27.72) REF**#61.5 ; v1(41.31,39.79) REF**#60.10 ; v1(41.31,27.72) REF**#61.10 ; v1(37.83,10.54) REF**#62.7 ; v1(37.83,-1.53) REF**#63.7 ; v1(40.23,10.54) REF**#62.9 ; v1(40.23,-1.53) REF**#63.9 ; v1(39.03,-1.53) REF**#63.8 ; v1(30.63,10.54) REF**#62.1 ; v1(35.43,10.54) REF**#62.5 ; v1(39.03,10.54) REF**#62.8 ; v1(34.23,-1.53) REF**#63.4 ; v1(34.23,10.54) REF**#62.4 ; v1(33.03,-1.53) REF**#63.3 ; v1(30.63,-1.53) REF**#63.1 ; v1(33.03,10.54) REF**#62.3 ; v1(35.43,-1.53) REF**#63.5 ; v1(41.43,10.54) REF**#62.10 ; v1(41.43,-1.53) REF**#63.10 ; REF**#46.9 v1(104.08,52.59) ; REF**#48.2 v1(95.19,75.72) ; REF**#46.5 v1(99.38,52.28) 98.48,53.18 REF**#46.4 ; REF**#48.5 98.89,75.62 v1(98.79,75.72) 97.99,74.92 REF**#48.4 ; v1(30.49,48.99) REF**#50.1 ; REF**#48.6 99.89,75.62 v1(99.99,75.72) 100.79,74.92 REF**#48.7 ; v1(32.89,61.06) REF**#51.3 ; v1(32.89,48.99) REF**#50.3 ; v1(30.49,61.06) REF**#51.1 ; v1(41.29,48.99) REF**#50.10 ; v1(31.69,48.99) REF**#50.2 ; v1(37.69,61.06) REF**#51.7 ; REF**#46.1 v1(94.48,52.59) ; 100.56,52.28 100.48,52.28 ; v1(40.09,48.99) REF**#50.9 ; v1(36.49,48.98) REF**#50.6 ; REF**#48.1 v1(93.99,75.72) ; v1(35.29,61.06) REF**#51.5 ; v1(38.89,48.99) REF**#50.8 ; REF**#48.9 v1(103.59,75.72) ; v1(41.29,61.06) REF**#51.10 ; v1(31.69,61.06) REF**#51.2 ; REF**#46.7 101.28,53.18 v1(100.38,52.28) REF**#46.6 ; v1(38.89,61.06) REF**#51.8 ; v1(36.49,61.06) REF**#51.6 ; v1(34.09,48.99) REF**#50.4 ; REF**#46.2 v1(95.68,52.59) ; v1(37.69,48.99) REF**#50.7 ; v1(40.09,61.06) REF**#51.9 ; v1(35.29,48.99) REF**#50.5 ; 99.2,52.28 99.28,52.28 ; REF**#48.10 v1(104.79,75.72) ; v1(34.09,61.06) REF**#51.4 ; REF**#46.10 v1(105.28,52.59)
  Bottom w0.4: v1(185.69,8.99) REF**#65.8 ; v1(180.89,21.06) REF**#64.4 ; REF**#64.5 v1(182.09,21.06) ; v1(182.09,8.99) REF**#65.5 ; v1(179.69,8.99) REF**#65.3 ; v1(179.69,21.06) REF**#64.3 ; REF**#64.11 v1(189.29,21.06) ; REF**#64.10 v1(188.09,21.06) ; v1(177.29,8.99) REF**#65.1 ; v1(189.29,8.99) REF**#65.11 ; REF**#64.8 v1(185.69,21.06) ; v1(177.29,21.06) REF**#64.1 ; v1(180.89,8.99) REF**#65.4 ; v1(188.09,8.99) REF**#65.10 ; v1(184.49,8.99) REF**#65.7 ; REF**#64.7 v1(184.49,21.06)
/LV: length 19
  Top w1.25: UMPS#2.5 152.37,122.58 153.3,121.65 ; UMPS#2.4 154.37,122.72 153.3,121.65 ; 153.3,121.65 REF**#13.1 ; 146.38,13.85 REF**#34.1 ; 146.38,13.85 147.43,14.9 UMPS#4.1 ; 146.38,13.85 145.43,14.8 UMPS#4.2
  vias: v1(136.22,9.76) v1(136.3,11.41) v1(136.32,12.8) v1(137.3,11.98) v1(137.23,10.76) v1(137.58,9.74) v1(137.89,12.82) v1(138.45,19.46) v1(140.44,19.35) v1(142.45,19.39) v1(143.62,12.13) v1(143.62,10.9) v1(143.64,9.86) v1(144.35,19.39) v1(146.42,19.48) v1(148.13,12.83) v1(148.9,19.29) v1(149.02,11.8) v1(148.96,10.34) v1(149.43,12.82) v1(149.67,9.66) v1(149.76,11.06) v1(150.51,11.7) v1(150.67,12.73) v1(150.68,10.04)

## Copper pours and planes (outline as drawn; the poured copper is in the pictures)
